# Allegro board BRD-05058-03_A1.brd (continued)
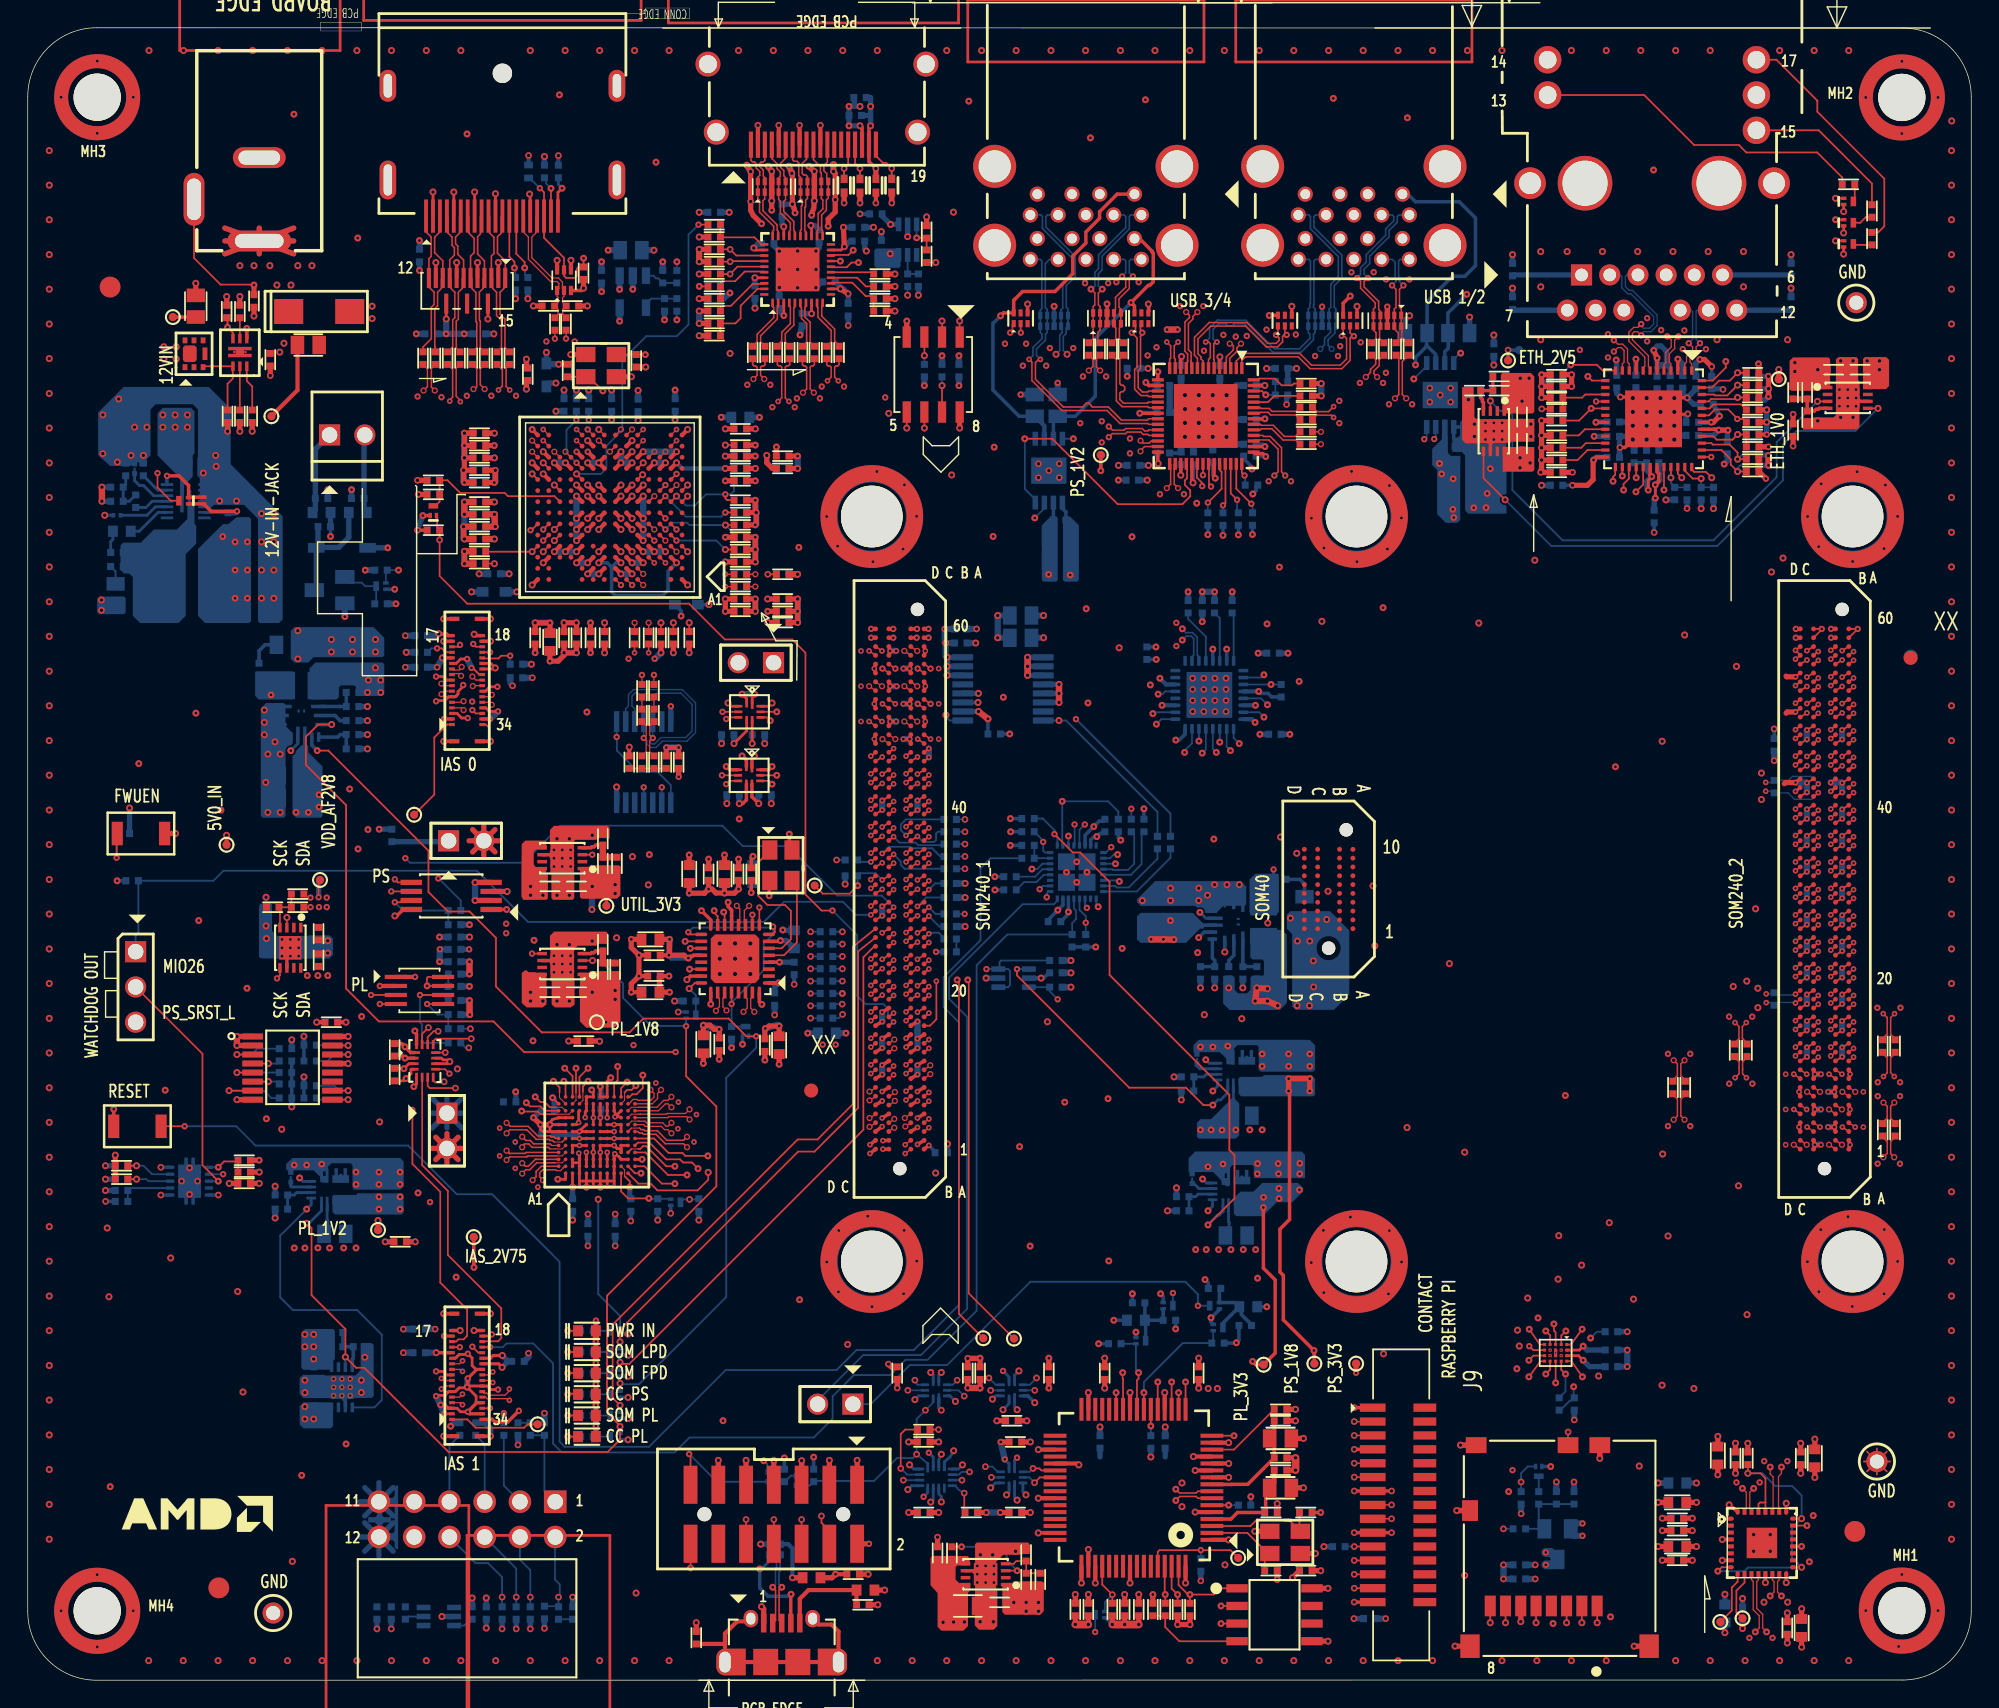
[diagram p0: board, top side]
## Routing (per net, layer and track width the routed paths; a pad name or vN(x,y) marks a point on that pad's centre or on a via; arc(x,y) is an arc through that point) (continued)
IAS0_D0_D_N: length 60.6
  TOP w0.089: 38.05,36.76 38.11,36.69 38.38,36.69 38.56,36.88 38.56,36.9 38.68,37.01 U34.B2
  TOP w0.094: J7.5 31.32,70.42 v4(31.39,70.5)
  TOP w0.114: v4(37.12,36.01) 36.87,36.26 36.87,36.53 37.1,36.76 38.05,36.76
  L03_SIG w0.112: v4(37.12,36.01) 37.12,35.68 37.13,35.67 37.13,35.35 36.87,35.09 36.87,34.72 36.32,34.16 32.2,34.16 28.99,37.37 28.99,44.64 27.16,46.48 27.16,52.72 30.45,56.01 30.45,58.65 31.5,59.7 31.5,62.13 30.59,63.04 29.2,63.04 28.94,63.3 28.94,63.95 29.2,64.21 32.11,64.21 32.36,64.46 32.36,65.3 31.95,65.7 29.75,65.7 29.49,65.96 29.49,66.62 29.75,66.88 31.6,66.88 31.71,66.99 31.71,67.66 30.61,68.77 30.61,69.97 30.92,70.28 31.23,70.28 31.39,70.45 v4(31.39,70.5)
IAS0_D0_D_P: length 60.6
  TOP w0.089: U34.A2 38.07,37.01
  TOP w0.094: J7.4 31.23,70.02 v4(31.39,69.86)
  TOP w0.114: v4(36.37,36.01) 36.62,36.26 36.62,36.64 36.99,37.01 38.07,37.01
  L03_SIG w0.112: v4(36.37,36.01) 36.34,35.99 36.34,35.35 36.62,35.07 36.62,34.82 36.21,34.41 35.82,34.41 35.71,34.53 35.71,34.85 35.6,34.96 35.37,34.96 35.26,34.85 35.26,34.53 35.15,34.41 34.32,34.41 34.2,34.53 34.2,34.75 34.06,34.9 33.9,34.9 33.76,34.75 33.76,34.53 33.64,34.41 32.31,34.41 29.25,37.48 29.25,44.75 27.41,46.58 27.41,52.61 30.71,55.91 30.71,58.55 31.75,59.59 31.75,62.24 30.7,63.29 29.3,63.29 29.19,63.4 29.19,63.85 29.3,63.96 32.21,63.96 32.61,64.36 32.61,65.4 32.05,65.96 29.86,65.96 29.74,66.07 29.74,66.52 29.86,66.63 31.71,66.63 31.97,66.89 31.97,67.77 30.86,68.88 30.86,69.86 31.02,70.03 31.23,70.03 v4(31.39,69.86)
IAS0_D1_D_N: length 59.9
  TOP w0.076: U34.B3 38.49,37.26 37.99,37.26
  TOP w0.094: v4(33.42,70.97) 33.28,70.82 J7.29
  TOP w0.114: 37.99,37.26 37.24,37.26 37.24,37.26 36.66,37.26 36.16,36.76 35.87,36.76 35.62,36.51 v4(35.62,36.49)
  L03_SIG w0.099: v4(35.62,36.49) 35.59,36.51 35.31,36.51 35.28,36.48 34.96,36.48 34.74,36.7 34.72,36.71 34.67,36.69 34.6,36.62 33.89,36.62 33.86,36.59 33.84,36.59
  L03_SIG w0.112: v4(33.42,70.97) 33.17,70.71 32.81,70.71 32.49,70.39 32.49,68.91 33.13,68.26 33.84,68.26 33.95,68.15 33.95,65.61 34.21,65.35 34.87,65.35 35.13,65.61 35.13,67.88 35.24,67.99 36.27,67.99 36.38,67.88 36.38,66.37 36.93,65.82 38.74,65.82 38.95,65.61 38.95,64.93 38.69,64.67 34.28,64.67 34.02,64.41 34.02,60.24 31.3,57.52 31.3,54.9 30.6,54.2 30.6,45.54 31.47,44.67 31.47,39.14 31.3,38.97 31.3,37.95 32.65,36.59 33.84,36.59
IAS0_D1_D_P: length 59.9
  TOP w0.094: v4(33.42,70.25) 33.25,70.42 J7.30
  TOP w0.114: U34.A3 38.1,37.51 38.1,37.51 36.66,37.51 36.66,37.51 36.56,37.51 36.56,37.51 36.06,37.01 35.84,37.01 v4(35.62,37.23)
  L03_SIG w0.099: 33.84,36.84 33.86,36.84 33.89,36.82 34.51,36.82 34.93,37.24 35.28,37.24 35.28,37.23 v4(35.62,37.23)
  L03_SIG w0.112: v4(33.42,70.25) 33.22,70.45 32.91,70.45 32.74,70.28 32.74,69.01 33.24,68.51 33.95,68.51 34.21,68.25 34.21,65.71 34.32,65.6 34.77,65.6 34.88,65.71 34.88,67.98 35.14,68.25 36.37,68.25 36.63,67.98 36.63,66.47 37.03,66.07 38.85,66.07 39.21,65.72 39.21,64.83 38.8,64.42 34.38,64.42 34.27,64.31 34.27,60.14 31.55,57.42 31.55,54.79 30.85,54.1 30.85,45.65 31.72,44.78 31.72,39.25 31.83,39.14 32.43,39.14 32.54,39.03 32.54,38.83 32.4,38.69 31.66,38.69 31.55,38.58 31.55,38.05 32.76,36.84 33.84,36.84
IAS0_D2_D_N: length 60.7
  TOP w0.076: U34.B5 38.49,38.26 37.99,38.26 37.99,38.26
  TOP w0.089: 37.99,38.26 37.62,38.26
  TOP w0.094: J7.26 32.28,72.02 v4(32.03,72.28)
  TOP w0.114: 37.62,38.26 37.5,38.37 36.34,38.37 36.09,38.62 35.78,38.62 35.62,38.45 v4(35.62,38.39)
  L03_SIG w0.112: v4(32.03,72.28) 32.2,72.1 32.44,72.1 32.56,72.23 32.56,72.94 33.24,73.62 34.3,73.62 35.66,72.26 35.66,71.29 36.05,70.9 37.14,70.9 37.25,71.01 37.25,72.19 37.51,72.45 38.17,72.45 38.43,72.19 38.43,71.01 38.54,70.9 38.99,70.9 39.1,71.01 39.1,72.19 39.36,72.45 40.02,72.45 40.28,72.19 40.28,71.01 40.39,70.9 40.68,70.9 41.66,69.92 41.66,63.24 40.61,62.19 36.86,62.19 36.28,61.6 36.28,58.16 35.47,57.35 35.47,52.66 34.4,51.6 34.4,41.56 36.52,39.44 36.52,38.9 36.27,38.65 35.88,38.65 v4(35.62,38.39)
IAS0_D2_D_P: length 60.7
  TOP w0.089: U34.A5 37.74,38.51
  TOP w0.094: v4(32.06,71.59) 32,71.53 32,71.53 32.1,71.62 J7.27
  TOP w0.114: 37.74,38.51 37.63,38.63 36.44,38.63 36.2,38.87 35.88,38.87 v4(35.62,39.14)
  L03_SIG w0.112: v4(32.06,71.59) 32.32,71.85 32.54,71.85 32.82,72.12 32.82,72.84 33.35,73.37 34.2,73.37 35.41,72.16 35.41,71.19 35.95,70.65 37.25,70.65 37.51,70.91 37.51,72.09 37.62,72.2 38.06,72.2 38.18,72.09 38.18,70.91 38.44,70.65 39.09,70.65 39.35,70.91 39.35,72.09 39.47,72.2 39.91,72.2 40.03,72.09 40.03,70.91 40.29,70.65 40.58,70.65 41.41,69.82 41.41,63.34 40.5,62.44 36.75,62.44 36.02,61.71 36.02,58.27 35.22,57.46 35.22,52.77 34.15,51.7 34.15,44.39 34.04,44.27 33.89,44.27 33.78,44.16 33.78,43.94 33.89,43.83 34.04,43.83 34.15,43.72 34.15,43.49 34.04,43.38 33.89,43.38 33.78,43.27 33.78,43.04 33.89,42.93 34.04,42.93 34.15,42.82 34.15,42.6 34.04,42.49 33.89,42.49 33.78,42.37 33.78,42.15 33.89,42.04 34.04,42.04 34.15,41.93 34.15,41.45 36.27,39.33 36.27,39.01 36.16,38.9 35.85,38.9 v4(35.62,39.14)
IAS0_D3_D_N: length 60.7
  TOP w0.076: 38.49,38.76 37.92,38.76 37.91,38.76
  TOP w0.094: v4(31.26,72.97) 31.25,72.97 31.25,72.92 31.08,72.75 30.63,72.75 J7.11
  TOP w0.114: U34.B6 38.49,38.76 ; 37.91,38.76 37.8,38.87 37.61,38.87 37.53,38.95 36.63,38.95 35.95,39.63 34.72,39.63 34.49,39.41 v4(34.49,39.39)
  L03_SIG w0.112: v4(31.26,72.97) 31.25,72.97 31.25,72.9 31.11,72.76 30.8,72.76 30.55,72.51 30.55,71.55 31.09,71.01 31.57,71.01 31.71,70.87 32.18,70.87 32.2,70.86 32.46,70.86 33.55,71.94 34,71.94 34.23,71.71 34.23,71.38 34.1,71.24 34.1,70.11 34.84,69.37 39.41,69.37 40.05,68.72 40.05,68.12 39.94,68.01 37.78,68.01 37.52,67.75 37.52,67.09 37.78,66.83 39.94,66.83 40.05,66.72 40.05,64.39 39.3,63.64 36.13,63.64 34.99,62.5 34.99,59.31 32.87,57.19 32.87,47.1 32.68,46.91 32.68,39.9 32.96,39.61 33.55,39.61 33.8,39.37 34.47,39.37 v4(34.49,39.39)
IAS0_D3_D_P: length 60.7
  TOP w0.089: U34.A6 38.02,39.01
  TOP w0.094: v4(31.22,72.33) 31.22,72.33 31.05,72.49 30.63,72.49 J7.10
  TOP w0.114: 38.02,39.01 38.02,39.02 37.92,39.12 37.72,39.12 37.64,39.2 36.74,39.2 36.05,39.89 34.75,39.89 34.5,40.14 v4(34.49,40.14)
  L03_SIG w0.112: v4(34.49,40.14) 34.46,40.17 33.86,40.17 33.55,39.87 33.06,39.87 32.93,40 32.93,41.04 33.16,41.27 33.16,41.43 32.93,41.67 32.93,42.02 33.04,42.14 33.11,42.14 33.22,42.25 33.22,42.47 33.11,42.58 33.04,42.58 32.93,42.7 32.93,42.92 33.04,43.03 33.11,43.03 33.22,43.14 33.22,43.37 33.11,43.48 33.04,43.48 32.93,43.59 32.93,43.81 33.04,43.92 33.11,43.92 33.22,44.04 33.22,44.26 33.11,44.37 33.04,44.37 32.93,44.48 32.93,44.71 33.04,44.82 33.16,44.82 33.27,44.93 33.27,45.15 33.16,45.27 33.04,45.27 32.93,45.38 32.93,46.72 33.12,46.91 33.12,57.08 35.24,59.21 35.24,62.39 36.24,63.39 39.41,63.39 40.31,64.29 40.31,66.82 40.05,67.08 37.88,67.08 37.77,67.2 37.77,67.64 37.88,67.75 40.05,67.75 40.31,68.01 40.31,68.83 39.51,69.62 34.95,69.62 34.35,70.22 34.35,71.14 34.49,71.27 34.49,71.81 34.1,72.2 33.45,72.2 32.36,71.11 32.3,71.11 32.29,71.13 31.81,71.13 31.68,71.26 31.19,71.26 30.8,71.65 30.8,72.4 30.9,72.51 31.1,72.51 31.22,72.39 v4(31.22,72.33)
IAS0_EXTCLK: length 37.3
  TOP w0.076: 37.93,41.26 38.49,41.26 38.74,41.01 U34.B10
  TOP w0.127: v1(32.03,69.86) 32.27,69.62 J7.32 ; 37.93,41.26 37.62,41.26 37.24,41.64 36.93,41.64 v5(36.56,42.01)
  L12_SIG w0.102: v5(36.56,42.01) 36.56,41.19 36.04,40.67 36.04,40.65 35.75,40.36 35.12,40.36 33.72,41.76 33.72,52.11 33.43,52.4 33.43,58.86 34.01,59.44 34.01,67.89 v1(32.03,69.86)
IAS0_RESET: length 39.1
  TOP w0.076: 37.93,40.76 38.99,40.76 U34.C10
  TOP w0.127: v5(35.58,40.99) 35.62,40.95 36.61,40.95 36.75,40.94 36.93,40.76 37.93,40.76 ; J7.21 v1(33.3,74.02)
  L12_SIG w0.102: v5(35.58,40.99) 34.29,42.28 34.29,52.34 33.99,52.64 33.99,58.6 34.7,59.31 34.7,69.71 33.22,71.2 33.22,73.28 33.3,73.37 v1(33.3,74.02)
IAS0_SCL: length 43.7
  TOP w0.076: U34.B11 38.31,41.95 38.31,42.32
  TOP w0.127: v5(37.87,43.14) 38.31,42.7 38.31,42.32 ; v1(29.49,74.31) 29.82,74.31 30.11,74.02 J7.14
  L12_SIG w0.102: v5(37.87,43.14) 34.96,46.05 34.96,58.76 35.48,59.28 35.48,72.09 34.09,73.48 34.09,74.79 33,75.88 31.16,75.88 30.58,75.3 30.58,74.72 30.17,74.31 v1(29.49,74.31)
  BOTTOM w0.127: v1(29.49,74.31) 29.08,74.31 R257.2
IAS0_SDA: length 37.4
  TOP w0.076: U34.C11 39.24,41.51 39.49,41.76 39.49,42.32
  TOP w0.127: 39.49,42.32 v5(39.49,44.07) ; v1(34.75,73.78) 34.1,73.78 33.91,73.58 32.78,73.58 J7.22
  L12_SIG w0.102: v1(34.75,73.78) 35.93,72.6 35.93,72.02 36.14,71.81 36.14,58.85 35.69,58.41 35.69,47.88 v5(39.49,44.07)
  BOTTOM w0.127: R258.2 v1(34.75,73.78)
IAS1_EXTCLK: length 45.1
  TOP w0.127: U17.18 v5(47.35,53.21) ; J8.32 v1(33.3,19.59)
  L05_SIG w0.102: v5(47.35,53.21) 48.18,53.21 48.38,53.01 48.38,49.17 48.08,48.87 48.08,44.56 47.61,44.09 47.61,36.89 48.09,36.41 48.09,34.45 47.82,34.18 47.62,34.18 45.38,31.94 45.38,28.69 41.93,25.24 41.93,24.66 40.77,23.5 39.49,23.5 36.31,20.32 35.51,20.32 34.81,19.62 33.34,19.62 v1(33.3,19.59)
IAS1_I2C_SCK: length 37.5
  TOP w0.127: J8.14 v1(31.12,23.99) ; U18.7 v6(14.5,42.46)
  L03_SIG w0.102: v6(14.5,42.46) 15.25,42.46 15.36,42.57 22.2,42.57 22.67,43.04 23.45,43.04 23.9,42.59 23.9,37.5 24.23,37.17 24.23,31.26 30.38,25.1 30.38,24.72 v1(31.12,23.99)
  BOTTOM w0.127: R58.2 17.55,41.92 17.04,42.43 14.53,42.43 v6(14.5,42.46)
IAS1_I2C_SDA: length 33.1
  TOP w0.127: v1(32.03,24.02) 32.46,23.59 J8.22 ; U18.6 v6(17.33,43.11)
  L03_SIG w0.102: v6(17.33,43.11) 18.73,43.11 18.81,43.03 21.6,43.03 22.12,43.56 23.41,43.56 24.76,42.21 24.76,31.69 28.88,27.58 29.71,27.58 30.73,26.56 30.73,25.01 30.98,24.77 31.46,24.77 31.7,24.53 31.7,24.35 v1(32.03,24.02)
  BOTTOM w0.127: v6(17.33,43.11) 17.95,43.11 R63.2
IAS1_RESET_B: length 83
  TOP w0.127: J8.21 v1(33.3,23.99)
  BOTTOM w0.127: v1(33.3,23.99) 34.23,23.99 34.49,24.25 36.41,24.25 37.84,22.82 37.84,17.04 38.48,16.4 46.6,16.4 47.67,17.48 56.63,17.48 57.98,18.83 57.98,20.45 59.51,21.98 62.13,21.98 63.23,23.07 64.82,23.07 68.35,26.6 68.35,51.48 70.57,53.7 R208.2 75.23,53.71 75.23,54.53 75.51,54.81 75.51,55.42 75.37,55.56 75.37,56.28 U19.13
IAS_2V75: length 8.8
  TOP w0.254: v5(32.14,29.73) 32.13,29.74 TP23.1 ; v6(32.15,75.33) 32.26,75.22 J7.18 ; J8.18 v6(32.15,25.19) ; J8.17 v6(31.15,25.19) ; v6(29.6,75.36) 29.63,75.33 30.18,75.33 30.28,75.22 J7.17
  BOTTOM w0.254: TP23.1 32.13,29.74 v5(32.14,29.73)
  BOTTOM w0.432: v6(29.6,75.36) 29.46,75.22 C142.1 ; C135.1 v2(29.35,25.29)
  vias: v6(19.96,24.91) v6(19.96,24.02) v6(20.6,24.91) v6(20.6,24.02) v6(20.6,23.13)
IAS_2V75_FB: length 3.3
  BOTTOM w0.254: R27.2 C27.2 R29.1 23.45,23.19 23.38,23.12 U8.4
ISP_EXTCLK: length 22.9
  TOP w0.127: v5(46.62,35.76) 45.68,35.76 44.43,37.01 43.74,37.01 U34.M2 ; v5(47.73,52.7) 47.74,52.71 U17.19
  L12_SIG w0.102: v5(47.73,52.7) 46.53,51.5 46.28,51.5 45.26,50.47 45.26,49.27 45.98,48.55 45.98,36.4 v5(46.62,35.76)
ISP_I2C_SCK: length 37.4
  TOP w0.127: v5(38.68,44.07) 39.24,43.51 U34.C12 ; U18.5 v6(15.07,43.76)
  L12_SIG w0.102: v5(38.68,44.07) 39.09,43.66 39.09,40.83 37.51,39.25 32.63,39.25 32.16,39.71 22.89,39.71 17.63,44.97 16.28,44.97 v6(15.07,43.76)
  BOTTOM w0.127: v6(15.07,43.76) 17.67,43.76 17.67,43.76 R57.2
ISP_I2C_SDA: length 33.8
  TOP w0.127: v5(40.37,44.07) 39.74,43.45 U34.D12 ; U18.4 v6(17.33,44.41)
  L12_SIG w0.102: v6(17.33,44.41) 22.4,39.34 31.8,39.34 32.84,38.3 37.17,38.3 39.97,41.11 39.97,43.68 v5(40.37,44.07)
  BOTTOM w0.127: R62.2 17.93,44.41 v6(17.33,44.41)
ISP_RESET_B: length 54
  TOP w0.127: v6(49.02,36.57) 49.02,36.04 48.26,35.28 45.36,35.28 44.88,35.76 43.99,35.76 U34.L1
  L12_SIG w0.102: v1(76.21,54.55) 75.48,53.82 66.75,53.82 66.16,54.4 66.16,55.24 65.25,56.16 63.15,56.16 63.05,56.05 62.2,56.05 61.92,55.78 61.92,54.87 61.72,54.67 56.52,54.67 51.56,49.7 51.02,49.7 50.24,48.92 50.24,37.79 v6(49.02,36.57)
  BOTTOM w0.127: U19.12 75.77,56.28 75.77,55.47 76.22,55.02 76.22,54.56 v1(76.21,54.55) 76.22,54.55 76.22,53.71 R207.2
JTAG_TCK_C2M: length 87.1
  TOP w0.127: R66.2 v2(65.61,18.05) ; J3.6 v2(55.74,11.57) ; JA1.A25 v3(64.91,53.76)
  L03_SIG w0.102: v2(55.74,11.57) 55.74,12.56 60.84,17.65 65.21,17.65 v2(65.61,18.05)
  L05_SIG w0.102: v2(55.74,11.57) 55.74,10.45 56.84,9.36 61.12,9.36 61.27,9.51 66.04,9.51 66.64,10.11 71.01,10.11 73.48,12.59 73.48,16.6 71.86,18.21 68.1,18.21 66.34,19.97 66.34,20.64 66.7,20.99 67.05,20.99 68.2,22.14 68.2,23.51 68.02,23.69 68.02,48.78 68.27,49.03 68.27,50.96 65.48,53.76 v3(64.91,53.76)
  BOTTOM w0.127: R264.1 65.99,53.46 65.63,53.83 64.99,53.83 64.92,53.76 v3(64.91,53.76)
JTAG_TDI_C2M: length 86.4
  TOP w0.127: JA1.A24 v3(64.91,53.12) ; J3.10 v2(51.74,11.57)
  L03_SIG w0.102: v2(51.74,11.57) 52.89,10.43 59.09,10.43 v2(63.07,14.41)
  L05_SIG w0.102: v2(51.74,11.57) 52.34,10.98 54.06,10.98 55.16,12.07 55.96,12.07 56.21,11.83 56.21,10.86 56.87,10.2 59.97,10.2 60.34,10.57 65.22,10.57 65.37,10.72 65.71,10.72 65.86,10.57 69.71,10.57 72.32,13.18 72.32,13.52 71.86,13.99 71.86,16.12 70.31,17.66 68.21,17.66 66.11,19.75 66.11,21.43 67.03,22.34 67.03,23.53 67.44,23.93 67.44,48.81 66.5,49.74 66.5,52.03 65.41,53.12 v3(64.91,53.12)
  BOTTOM w0.127: U22.14 v2(63.07,14.41)
JTAG_TDO_M2C: length 82.4
  TOP w0.127: JA1.A23 v3(64.09,51.92) ; J3.8 v2(53.74,11.57)
  L03_SIG w0.102: v2(63.4,20.88) 61.3,18.78 58.1,18.78 53.74,14.42 v2(53.74,11.57)
  L05_SIG w0.102: v3(64.09,51.92) 64.41,52.24 65.11,52.24 66.18,51.16 66.18,39.35 65.84,39 65.84,37.45 66.34,36.95 66.34,22.04 65.39,21.09 65.39,19.27 67.48,17.18 68.43,17.18 70.46,15.15 70.46,14.04 70.28,13.86 70.28,13.84 69.47,13.03 69.47,11.79 68.79,11.11 59.99,11.11 59.63,10.76 57.18,10.76 56.64,11.29 56.64,12.1 56.11,12.64 54.81,12.64 v2(53.74,11.57)
  BOTTOM w0.127: U25.4 v2(63.4,20.88)
JTAG_TMS_C2M: length 79.6
  TOP w0.127: v2(57.17,11.83) 57.17,11.35 57.74,10.78 J3.4 ; JA1.A22 v3(64.91,51.85)
  L03_SIG w0.102: v2(57.17,11.83) 56.39,11.04 55.42,11.04 55.04,11.42 55.04,13.91 59.31,18.18 62.51,18.18 64.41,20.08 64.41,21.1 v2(63.9,21.6)
  L05_SIG w0.102: v3(64.91,51.85) 65.84,50.93 65.84,39.83 65.43,39.42 65.43,38.03 64.57,37.17 64.57,20.59 65.1,20.05 65.1,19.16 67.89,16.37 68.65,16.37 70.05,14.97 70.05,13.93 68.92,12.8 67.78,12.8 66.5,11.52 62.2,11.52 60.3,13.43 58.18,13.43 57.17,12.42 v2(57.17,11.83)
  BOTTOM w0.127: v2(63.9,21.6) 63.9,21.48 64.11,21.28 U25.5
JTAG_VCCO_ON: length 23.4
  TOP w0.127: v2(67.46,13.48) 67.46,12.14 R241.1 ; U24.21 v5(81.4,21.48)
  L03_SIG w0.102: v5(81.4,21.48) 81.4,20.83 80.16,19.59 80.16,17.41 76.51,13.77 70.34,13.77 70.01,13.44 67.5,13.44 v2(67.46,13.48)
  BOTTOM w0.127: U22.8 66.8,14.01 67.08,13.7 v2(67.46,13.48)
LS_OE_B: length 15.3
  BOTTOM w0.127: Q12.3 56.35,14.03 R233.2 56.67,14.35 60.97,14.35 62.61,16 63.76,16 v2(64.03,16.27) ; v2(64.03,16.27) 64.03,18.81 v2(64.67,19.45) 65.23,20.01 U25.2 ; v2(64.03,16.27) 64.83,15.6 U22.1
MIO26: length 61.2
  TOP w0.127: JA1.D28 v3(60.73,55.12)
  BOTTOM w0.127: v3(60.73,55.12) 59.66,55.12 58.72,56.05 54.48,56.05 53.03,54.61 36.04,54.61 32.35,58.3 14.1,58.3 13.38,57.57 R45.2 7.97,53.84 7.77,53.64 J1.1
MIO27: length 14.5
  TOP w0.127: v5(53.62,64.53) 53.38,64.77 U28.8 ; JA1.D29 v3(60.73,55.75)
  L12_SIG w0.102: v5(53.62,64.53) 55.34,62.81 55.34,58.69 58.28,55.75 v3(60.73,55.75)
MIO28: length 18.9
  TOP w0.127: U30.9 v5(53.96,69.74) ; JA1.D30 v3(61.55,56.96)
  L12_SIG w0.102: v5(53.96,69.74) 58.85,64.85 58.85,58.38 59.62,57.61 59.62,57.62 59.95,57.62 60.18,57.39 60.18,57.06 60.17,57.06 60.59,56.64 61.06,56.64 61.38,56.96 v3(61.55,56.96)
MIO29: length 19.8
  TOP w0.127: v5(53.49,69.1) 53.26,69.34 U30.8 ; JA1.C30 v3(62.37,56.93)
  L12_SIG w0.102: v3(62.37,56.93) 62.27,56.93 61.74,56.4 60.1,56.4 59.85,56.66 58.77,56.66 56.69,58.74 56.69,65.9 v5(53.49,69.1)
MIO30: length 18
  TOP w0.127: U28.9 v5(53.95,65.17) ; JA1.C31 v3(62.37,57.57)
  L12_SIG w0.102: v5(53.95,65.17) 55.85,63.27 55.84,58.85 58.55,56.15 61.97,56.15 62.23,56.41 62.5,56.41 62.76,56.67 62.76,57.18 v3(62.37,57.57)
MIO31: length 6.9
  TOP w0.127: JA1.C32 v3(61.55,57.63) ; v5(59.78,57.22) 59.2,56.64 57.27,56.64 TP37.1
  BOTTOM w0.127: v3(61.55,57.63) 61.55,57.64 61.07,58.12 59.98,58.12 59.79,57.93 R263.1 59.79,57.92 59.79,57.23 v5(59.78,57.22)
MIO32_NC: length 0.4
  TOP w0.127: JA1.A31 v3(64.91,57.57)
MIO33_NC: length 0.6
  TOP w0.127: JA1.A32 v3(64.09,57.63)
MIO34_NC: length 0.4
  TOP w0.127: JA1.B38 v3(63.27,61.47)
MIO35: length 97.8
  TOP w0.127: JA1.B28 v3(63.27,55.12)
  L03_SIG w0.102: v5(28.12,35.09) 28.12,34.28 29.99,32.41 39.81,32.41 41.64,34.23 41.64,36.5 42.72,37.59 42.72,40.68 42.69,40.72 42.69,40.73 42.46,40.96 42.45,40.96 41.64,41.77 41.64,42.92 41.63,42.93 41.63,43.17 41.48,43.32 41.48,44.39 43.31,46.22 46.79,46.22 47.69,45.31 49.81,45.31 50.36,44.75 52.09,44.75 52.69,45.35 58.52,45.35 59.36,46.19 59.36,52.37 61.54,54.55 62.7,54.55 v3(63.27,55.12)
  L10_SIG w0.102: v3(63.27,55.12) 63.64,55.49 63.64,55.99 64.05,56.41 65.32,56.41 66.8,57.88 67.55,57.88 68.22,58.55 68.22,59.25 70.58,61.62 71.37,61.62 73.05,63.29 v5(74.52,63.29)
  L12_SIG w0.102: v5(28.12,35.09) 27.53,35.09 27.41,35.22 23.11,35.22 22.86,34.96 16.66,34.96 15.19,36.44 v1(14.07,36.44)
  BOTTOM w0.127: R304.2 78.56,62 78.56,62.56 77.82,63.29 v5(74.52,63.29) 74.52,63.29 74.52,60.16 74.56,60.12 U19.26 ; v1(14.07,36.44) U13.7
MIO36: length 40.7
  TOP w0.127: JA1.B29 v3(63.27,55.75)
  L05_SIG w0.102: v2(69.37,20.88) 68.71,21.53 68.71,22.54 69.19,23.02 69.19,48.76 69.52,49.08 69.52,51.42 68.98,51.96 67.99,51.96 65.4,54.55 63.85,54.55 63.65,54.75 63.65,55.37 v3(63.27,55.75)
  BOTTOM w0.127: U64.4 v2(69.37,20.88)
MIO37: length 40.4
  TOP w0.127: JA1.B30 v3(64.09,56.96)
  L05_SIG w0.102: v3(64.09,56.96) 64.11,56.96 64.83,56.24 65.24,56.24 66.43,55.04 66.43,54.37 67.66,53.13 68.68,53.13 69.98,51.83 69.98,23.13 69.24,22.39 v2(69.24,21.77)
  BOTTOM w0.127: v2(69.24,21.77) 69.73,21.28 U64.5
MIO38: length 11.5
  TOP w0.127: JA1.B32 v3(63.27,57.66)
  L12_SIG w0.102: v5(72.34,58.42) 69.44,58.42 68.88,57.86 67.1,57.86 66.91,58.05 63.67,58.05 v3(63.27,57.66)
  BOTTOM w0.127: U19.22 73.1,58.8 72.72,58.42 v5(72.34,58.42)
MIO39: length 68
  TOP w0.127: v5(108.14,23.04) 108.47,23.37 U38.E3 ; JA1.B33 v3(64.09,58.86)
  L05_SIG w0.102: v3(64.09,58.86) 64.52,58.44 65.17,58.44 65.99,57.62 65.99,57.2 67.31,55.88 68.22,55.88 70.35,53.74 70.35,41.65 88.97,23.04 v5(108.14,23.04)
MIO40_NC: length 0.4
  TOP w0.127: JA1.B34 v3(63.27,58.93)
MIO41_NC: length 0.4
  TOP w0.127: JA1.A34 v3(64.91,59.47)
MIO42_NC: length 0.6
  TOP w0.127: JA1.A35 v3(64.09,59.54)
MIO43: length 16.7
  TOP w0.127: JA1.A36 v3(64.91,60.74)
  L12_SIG w0.102: v3(64.91,60.74) 67.22,60.74 67.33,60.63 68.78,60.63 69.87,59.53 76.49,59.53 78.49,57.53 v5(78.63,57.53)
  BOTTOM w0.127: U19.6 78.56,57.6 v5(78.63,57.53)
MIO44: length 19.3
  TOP w0.127: JA1.D32 v3(60.73,57.66)
  L12_SIG w0.102: v5(77.11,55.7) 76.15,56.66 75.1,56.66 72.92,58.85 67.16,58.85 66.61,58.31 61.38,58.31 v3(60.73,57.66)
  BOTTOM w0.127: U19.9 76.97,56.28 76.97,55.84 77.11,55.7 v5(77.11,55.7)
MIO45: length 86.5
  TOP w0.127: J11.13 v2(110.96,17.87) ; JA1.D33 v3(61.55,58.86)
  L02_GND w0.127: v5(112.58,24.64) 111.37,24.64 110.51,23.77 110.47,23.77 v7(110.47,23.77)
  L05_SIG w0.102: v3(61.55,58.86) 62,59.31 62,59.62 62.31,59.93 64.94,59.93 65.04,59.84 65.07,59.84 65.28,59.62 65.28,59.59 66.68,58.19 66.68,57.53 67.38,56.84 67.92,56.84 70.76,54 70.76,41.78 87.9,24.64 v5(112.58,24.64) 112.58,21.47 110.96,19.84 v2(110.96,17.87)
  BOTTOM w0.127: v5(112.58,24.64) 113.04,25.1 R130.2
MIO46: length 1.4
  TOP w0.127: JA1.D34 v3(60.73,58.93)
  BOTTOM w0.127: v3(60.73,58.93) 59.92,58.93 R250.1
MIO46_SDIO_DAT0: length 83.6
  TOP w0.127: U38.D1 109.67,24.84 v5(109.35,25.15)
  L03_SIG w0.102: v5(109.35,25.15) 109.35,26.05 109.53,26.22 109.53,26.66 109.24,26.95 107.14,26.95 96.07,38.03 81.93,38.03 80.43,39.52 80.43,54.78 80.8,55.15 80.8,59.12 77.9,62.02 72.86,62.02 71.59,60.75 71.59,60.33 69.86,58.6 69.01,58.6 68.37,57.96 65.98,57.96 65.73,58.21 59.12,58.21 v2(58.26,59.07)
  BOTTOM w0.127: R250.2 v2(58.26,59.07)
MIO47: length 4.6
  TOP w0.127: JA1.C34 v3(62.37,59.47)
  BOTTOM w0.127: R251.1 63.17,58.43 62.89,58.71 62.89,58.96 62.38,59.47 v3(62.37,59.47)
MIO47_SDIO_DAT1: length 80.8
  TOP w0.127: U38.E1 108.93,24.17 v5(108.16,25.28)
  L05_SIG w0.102: v2(67.51,58.43) 70.01,58.43 71.83,56.61 71.83,41.9 84.35,29.38 84.91,29.38 85.58,28.71 85.58,28.15 87.77,25.96 97.96,25.96 98.07,26.06 98.07,26.31 98.17,26.41 98.57,26.41 98.67,26.31 98.67,26.06 98.78,25.96 99.18,25.96 99.28,26.06 99.28,26.82 99.39,26.92 99.79,26.92 99.89,26.82 99.89,25.56 100,25.45 100.4,25.45 100.5,25.56 100.5,26.82 100.61,26.92 101.01,26.92 101.13,26.8 101.13,25.74 101.24,25.63 101.64,25.63 101.74,25.74 101.74,26.82 101.84,26.92 102.23,26.92 102.35,26.8 102.35,25.74 102.45,25.63 102.86,25.63 102.96,25.74 102.96,26.82 103.06,26.92 103.45,26.92 103.57,26.8 103.57,25.74 103.67,25.63 104.08,25.63 104.18,25.74 104.18,26.82 104.28,26.92 104.66,26.92 104.77,26.82 104.77,25.35 104.87,25.25 105.27,25.25 105.38,25.35 105.38,26.82 105.48,26.92 105.89,26.92 105.99,26.82 105.99,26.06 106.09,25.96 107.48,25.96 v5(108.16,25.28)
  BOTTOM w0.127: R251.2 v2(67.51,58.43)
MIO48: length 5.5
  TOP w0.127: JA1.C35 v3(61.55,59.54)
  BOTTOM w0.127: R252.1 65.74,59.32 65.15,59.91 63.67,59.91 63.57,60.02 62.03,60.02 61.55,59.54 v3(61.55,59.54)
MIO48_SDIO_DAT2: length 81.7
  TOP w0.127: v5(111.97,25.28) 111.17,24.17 U38.A1
  L03_SIG w0.102: v5(111.97,25.28) 111.97,26.49 112.75,27.27 112.75,36.19 108,40.95 89.47,40.95 84.97,45.44 84.97,45.9 83.51,47.37 83.51,60.43 79.68,64.26 72.03,64.26 68.45,60.68 67.22,60.68 67.06,60.52 67.06,59.78 v2(67.51,59.32)
  BOTTOM w0.127: R252.2 v2(67.51,59.32)
MIO49: length 4.3
  TOP w0.127: JA1.C36 v3(62.37,60.74)
  BOTTOM w0.127: R253.1 65.91,60.13 64.14,60.13 63.95,60.32 62.8,60.32 62.38,60.74 v3(62.37,60.74)
MIO49_SDIO_DAT3: length 80.4
  TOP w0.127: U38.B1 110.47,24.81 v5(110.8,25.15)
  L03_SIG w0.102: v5(110.8,25.15) 110.8,26.8 109.83,27.77 109.48,27.77 102.85,34.39 102.85,34.54 104.01,35.7 104.01,35.84 103.72,36.13 103.58,36.13 102.42,34.97 102.28,34.97 101.99,35.25 101.99,35.4 103.15,36.56 103.15,36.7 102.86,36.99 102.72,36.99 101.56,35.83 101.41,35.83 101.13,36.12 101.13,36.26 102.29,37.42 102.29,37.56 102,37.85 101.86,37.85 100.7,36.69 100.55,36.69 97.07,40.17 88.5,40.17 83,45.66 83,58.26 78.4,62.86 72.36,62.86 71,61.5 70.12,61.5 68.83,60.21 v2(67.51,60.21)
  BOTTOM w0.127: R253.2 v2(67.51,60.21)
MIO50: length 3.2
  TOP w0.127: JA1.B36 v3(64.09,60.77)
  BOTTOM w0.127: R249.1 65.56,61.1 65.43,60.97 65.43,60.5 65.3,60.37 64.5,60.37 v3(64.09,60.77)
MIO50_SDIO_CMD: length 81.7
  TOP w0.127: U38.C1 110.07,25.05 109.94,25.18 v5(109.94,25.66)
  L03_SIG w0.102: v2(67.51,61.1) R249.2 66.53,60.74 66.53,59.37 67.02,58.88 68.48,58.88 70.25,60.65 71.02,60.65 72.72,62.35 78.41,62.35 81.39,59.37 81.39,41.88 84.23,39.04 97.15,39.04 103.4,32.79 103.4,32.64 102.95,32.19 102.95,32.05 103.24,31.76 103.38,31.76 103.84,32.21 103.98,32.21 104.27,31.92 104.27,31.78 103.81,31.33 103.81,31.19 104.1,30.9 104.25,30.9 104.7,31.35 104.84,31.35 105.13,31.06 105.13,30.92 104.68,30.47 104.68,30.32 104.96,30.04 105.11,30.04 105.56,30.49 105.7,30.49 105.99,30.2 105.99,30.06 105.54,29.61 105.54,29.46 105.83,29.17 105.97,29.17 106.42,29.63 106.57,29.63 108.88,27.32 109.59,27.32 109.94,26.96 v5(109.94,25.66)
  BOTTOM w0.127: R249.2 v2(67.51,61.1)
MIO51: length 4.6
  TOP w0.127: JA1.B37 v3(63.27,60.83)
  BOTTOM w0.127: R248.1 63.26,61.99 62.89,61.62 62.89,61.22 63.27,60.84 v3(63.27,60.83)
MIO51_SDIO_CLK: length 81.3
  L02_GND w0.127: v7(109.67,23.77) 108.8,24.64 v5(108.8,26.09)
  L05_SIG w0.102: v2(67.51,61.99) 67.51,63.63 67.76,63.88 71.29,63.88 71.63,63.53 71.63,57.87 72.31,57.19 72.31,42.23 84.83,29.72 85.57,29.72 87.48,27.81 89.58,27.81 90.83,26.56 97.66,26.56 98.66,27.56 100.25,27.56 100.35,27.66 100.35,28.87 100.45,28.97 100.86,28.97 100.96,28.87 100.96,27.66 101.06,27.56 102.98,27.56 103.08,27.66 103.08,29.5 103.21,29.62 103.56,29.62 103.69,29.5 103.69,27.66 103.79,27.56 107.32,27.56 v5(108.8,26.09)
  BOTTOM w0.127: R248.2 v2(67.51,61.99)
MIO52: length 31.2
  TOP w0.127: JA1.D36 v3(61.55,60.77)
  L03_SIG w0.102: v3(61.55,60.77) 62.05,60.27 65.24,60.27 66.52,61.55 68.48,61.55 72.59,65.65 86.44,65.65 87.27,66.49 v5(87.27,67.45)
  BOTTOM w0.127: U37.1 86.87,67.86 v5(87.27,67.45)
MIO53: length 35.9
  TOP w0.127: JA1.D37 v3(60.73,60.83)
  L10_SIG w0.102: v3(60.73,60.83) 61.63,59.93 65.83,59.93 66,59.76 67.89,59.76 72.08,63.95 85.32,63.95 89.25,67.88 89.25,69.16 v5(89.05,69.36)
  BOTTOM w0.127: U37.31 88.7,69.71 v5(89.05,69.36)
MIO54: length 28.4
  TOP w0.127: JA1.D38 v3(60.73,61.47)
  L10_SIG w0.102: v5(84.61,66.77) 82.45,64.61 69.16,64.61 66.48,61.93 61.2,61.93 v3(60.73,61.47)
  BOTTOM w0.127: U37.5 84.87,67.03 v5(84.61,66.77)
MIO55: length 31.6
  TOP w0.127: JA1.C38 v3(61.55,61.44)
  L10_SIG w0.102: v3(61.55,61.44) 61.85,61.75 62.53,61.75 62.81,61.47 62.81,60.67 63.11,60.37 65.96,60.37 66.24,60.65 68.3,60.65 72,64.36 84.68,64.36 86.64,66.31 v5(86.64,66.94)
  BOTTOM w0.127: U37.2 86.37,67.21 v5(86.64,66.94)
MIO56: length 27.8
  TOP w0.127: JA1.C39 v3(62.37,62.65)
  L03_SIG w0.102: v5(85.87,67.55) 85.69,67.55 85.1,66.96 85.1,66.25 84.99,66.14 70.92,66.14 66.85,62.07 62.95,62.07 v3(62.37,62.65)
  BOTTOM w0.127: U37.3 v5(85.87,67.55)
MIO57: length 28.4
  TOP w0.127: JA1.C40 v3(62.37,63.28)
  L10_SIG w0.102: v3(62.37,63.28) 62.76,62.89 62.76,62.5 63.02,62.24 66.09,62.24 68.89,65.05 80.77,65.05 82.95,67.23 85.21,67.23 v5(85.62,66.82)